# KiCad board Combined.kicad_pcb
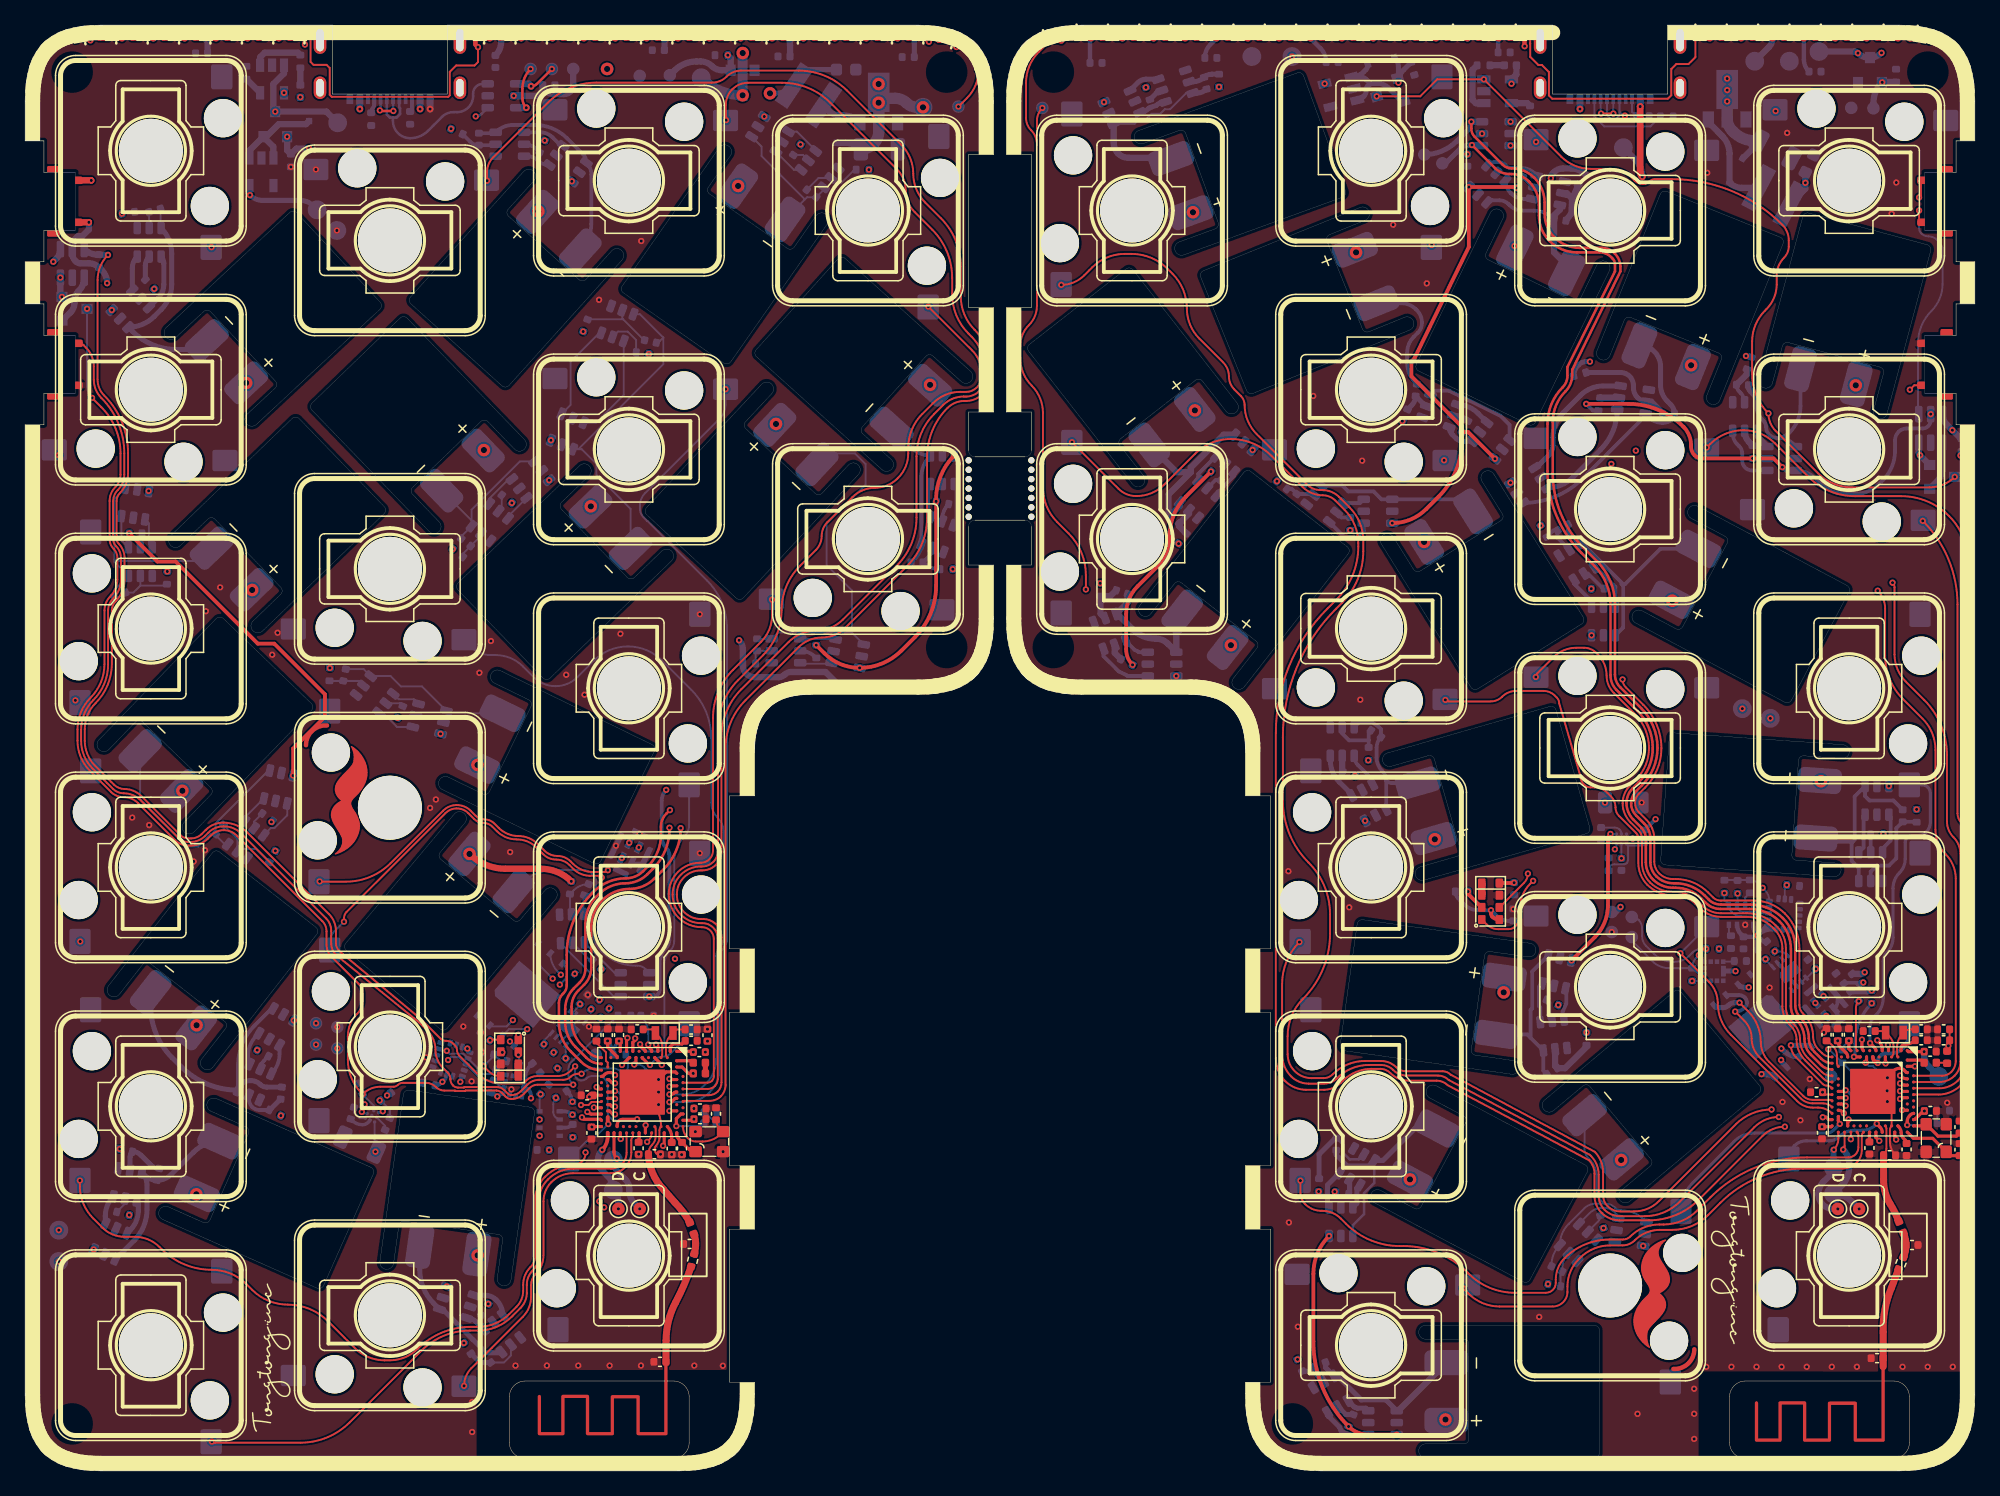
[diagram p0: board, top side]
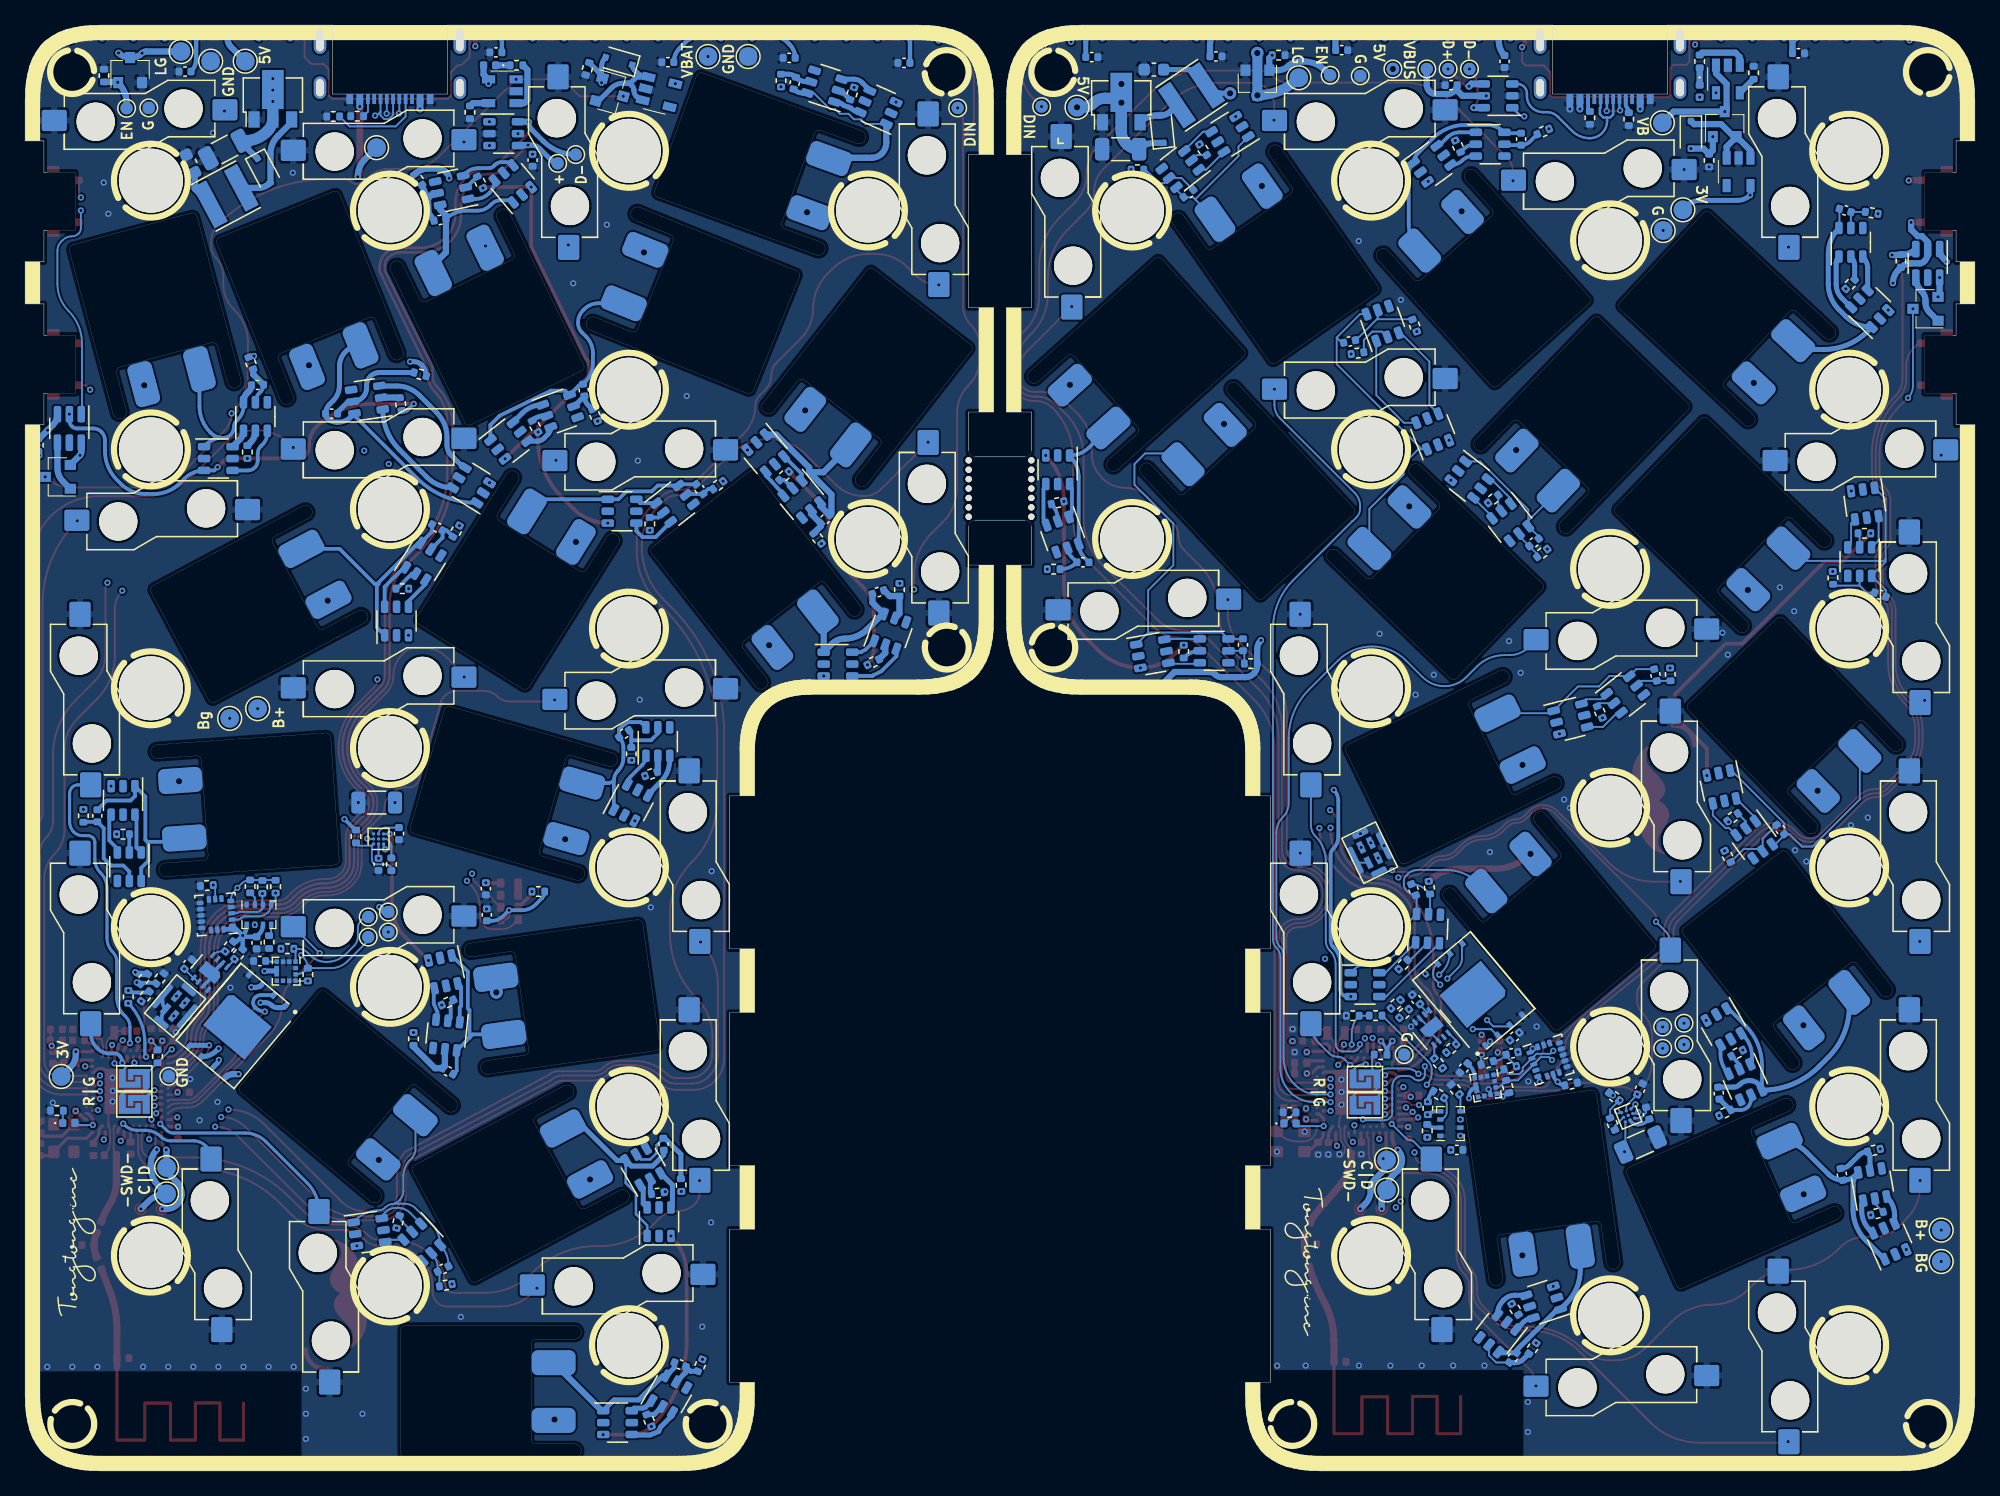
[diagram p1: board, bottom side, seen from below]

Outline 155.4 x 115.3 mm; copper layers: Top, In1.Cu, In2.Cu, Bottom. Coordinates in mm from the lower left corner of the outline.
Outline path: circle c3.75,111.55 r1.4 ; circle c3.75,3.75 r1.4 ; circle c54.4,3.75 r1.4 ; circle c73.45,111.55 r1.4 ; circle c73.45,65.66 r1.4 ; circle c81.95,111.55 r1.4 ; circle c81.95,65.66 r1.4 ; circle c101,3.75 r1.4 ; circle c151.65,3.75 r1.4 ; circle c151.65,111.55 r1.4 ; 1.75,103.57 1.5,103.57 1.5,106.07 0,106.07 0,109.3 0.02,110.08 0.07,110.62 0.09,110.82 0.2,111.42 0.35,111.99 0.41,112.17 0.55,112.52 0.62,112.69 0.89,113.17 1.2,113.6 1.31,113.73 1.44,113.86 1.57,113.98 1.7,114.1 2.13,114.41 2.61,114.68 2.78,114.75 3.13,114.89 3.31,114.95 3.88,115.1 4.48,115.2 4.68,115.23 5.22,115.28 6,115.3 24.5,115.3 24.5,109.8 33.65,109.8 33.65,115.3 71.2,115.3 71.98,115.28 72.52,115.23 72.72,115.2 73.32,115.1 73.89,114.95 74.07,114.89 74.42,114.75 74.59,114.68 75.07,114.41 75.5,114.1 75.63,113.98 75.76,113.86 75.89,113.73 76,113.6 76.31,113.17 76.58,112.69 76.65,112.52 76.79,112.17 76.85,111.99 77,111.42 77.11,110.82 77.13,110.62 77.18,110.08 77.2,109.3 77.2,104.97 75.2,104.97 75.2,92.77 77.2,92.77 77.2,84.44 75.2,84.44 75.2,81.37 arc(75.35,81.02) 75.7,80.87 79.7,80.87 arc(80.05,81.02) 80.2,81.37 80.2,84.44 78.2,84.44 78.2,92.77 80.2,92.77 80.2,104.97 78.2,104.97 78.2,109.3 78.22,110.08 78.27,110.62 78.29,110.82 78.4,111.42 78.55,111.99 78.61,112.17 78.75,112.52 78.82,112.69 79.09,113.17 79.4,113.6 79.51,113.73 79.64,113.86 79.77,113.98 79.9,114.1 80.33,114.41 80.81,114.68 80.98,114.75 81.33,114.89 81.51,114.95 82.08,115.1 82.68,115.2 82.88,115.23 83.42,115.28 84.2,115.3 121.75,115.3 121.75,109.8 130.9,109.8 130.9,115.3 149.4,115.3 150.18,115.28 150.72,115.23 150.92,115.2 151.52,115.1 152.09,114.95 152.27,114.89 152.62,114.75 152.79,114.68 153.27,114.41 153.7,114.1 153.83,113.98 153.96,113.86 154.09,113.73 154.2,113.6 154.51,113.17 154.78,112.69 154.85,112.52 154.99,112.17 155.05,111.99 155.2,111.42 155.31,110.82 155.33,110.62 155.38,110.08 155.4,109.3 155.4,106.07 153.9,106.07 153.9,103.57 153.65,103.57 ; 1.75,98.93 1.5,98.93 1.5,96.43 0,96.43 0,93.07 1.5,93.07 1.5,90.57 1.75,90.57 ; 1.75,85.93 1.5,85.93 1.5,83.43 0,83.43 0,6 0.02,5.22 0.07,4.68 0.09,4.48 0.2,3.88 0.35,3.31 0.41,3.13 0.55,2.78 0.62,2.61 0.89,2.13 1.2,1.7 1.31,1.57 1.44,1.44 1.57,1.31 1.7,1.2 2.13,0.89 2.61,0.62 2.78,0.55 3.13,0.41 3.31,0.35 3.88,0.2 4.48,0.09 4.68,0.07 5.22,0.02 6,0 52.15,0 52.93,0.02 53.47,0.07 53.67,0.09 54.27,0.2 54.84,0.35 55.02,0.41 55.37,0.55 55.54,0.62 56.02,0.89 56.45,1.2 56.58,1.31 56.71,1.44 56.84,1.57 56.95,1.7 57.26,2.13 57.53,2.61 57.6,2.78 57.74,3.13 57.8,3.31 57.95,3.88 58.06,4.48 58.08,4.68 58.13,5.22 58.15,6 58.15,7.08 56.15,7.08 56.15,19.28 58.15,19.28 58.15,24.36 56.15,24.36 56.15,36.56 58.15,36.56 58.15,41.63 56.15,41.63 56.15,53.83 58.15,53.83 58.15,57.63 58.16,57.96 58.16,58.02 58.18,58.18 58.21,58.49 58.23,58.64 58.27,58.85 58.32,59.07 58.36,59.23 ; 58.36,59.23 58.44,59.48 58.48,59.61 58.59,59.86 58.65,59.98 58.73,60.13 58.81,60.26 58.85,60.32 58.94,60.45 59.07,60.63 59.16,60.72 59.34,60.9 59.43,60.99 59.61,61.12 59.75,61.22 59.8,61.25 59.93,61.33 60.08,61.42 60.2,61.47 60.45,61.58 60.58,61.63 60.83,61.7 ; 60.83,61.7 60.99,61.74 61.21,61.79 61.42,61.83 61.57,61.85 61.89,61.89 62.05,61.9 62.1,61.9 62.43,61.91 71.2,61.91 71.98,61.93 72.52,61.98 72.72,62.01 73.32,62.12 73.89,62.26 74.07,62.32 74.42,62.46 74.59,62.53 75.07,62.8 75.5,63.11 75.63,63.23 75.76,63.35 75.89,63.48 76,63.61 76.31,64.05 76.58,64.52 76.65,64.69 76.79,65.04 76.85,65.22 77,65.79 77.11,66.39 77.13,66.6 77.18,67.13 77.2,67.91 77.2,72.24 75.2,72.24 ; 75.2,72.25 75.2,75.32 arc(75.35,75.67) 75.7,75.82 79.7,75.82 arc(80.05,75.67) 80.2,75.32 80.2,72.25 ; 80.2,72.24 78.2,72.24 78.2,67.91 78.22,67.13 78.27,66.6 78.29,66.39 78.4,65.79 78.55,65.22 78.61,65.04 78.75,64.69 78.82,64.52 79.09,64.05 79.4,63.61 79.51,63.48 79.64,63.35 79.77,63.23 79.9,63.11 80.33,62.8 80.81,62.53 80.98,62.46 81.33,62.32 81.51,62.26 82.08,62.12 82.68,62.01 82.88,61.98 83.42,61.93 84.2,61.91 92.97,61.91 93.3,61.9 93.35,61.9 93.51,61.89 93.83,61.85 93.98,61.83 94.19,61.79 94.41,61.74 94.57,61.7 94.82,61.63 94.95,61.58 95.2,61.47 95.32,61.42 95.47,61.33 95.6,61.25 95.65,61.22 95.79,61.12 95.97,60.99 96.06,60.9 96.24,60.72 96.33,60.63 96.46,60.45 96.55,60.32 96.59,60.26 96.67,60.13 96.75,59.98 96.81,59.86 96.92,59.61 96.96,59.48 97.04,59.23 ; 97.04,59.23 97.08,59.07 97.13,58.85 97.17,58.64 97.19,58.49 97.22,58.18 97.24,58.02 97.24,57.96 97.25,57.63 97.25,53.83 99.25,53.83 99.25,41.63 97.25,41.63 97.25,36.56 99.25,36.56 99.25,24.36 97.25,24.36 97.25,19.28 99.25,19.28 99.25,7.08 97.25,7.08 97.25,6 97.27,5.22 97.32,4.68 97.34,4.48 97.45,3.88 97.6,3.31 97.66,3.13 97.8,2.78 97.87,2.61 98.14,2.13 98.45,1.7 98.56,1.57 98.69,1.44 98.82,1.31 98.95,1.2 99.38,0.89 99.86,0.62 100.03,0.55 100.38,0.41 100.56,0.35 101.13,0.2 101.73,0.09 101.93,0.07 102.47,0.02 103.25,0 149.4,0 150.18,0.02 150.72,0.07 150.92,0.09 151.52,0.2 152.09,0.35 152.27,0.41 152.62,0.55 152.79,0.62 153.27,0.89 153.7,1.2 153.83,1.31 153.96,1.44 154.09,1.57 154.2,1.7 154.51,2.13 154.78,2.61 154.85,2.78 154.99,3.13 155.05,3.31 155.2,3.88 155.31,4.48 155.33,4.68 155.38,5.22 155.4,6 155.4,83.43 153.9,83.43 153.9,85.93 153.65,85.93 ; 153.65,98.93 153.9,98.93 153.9,96.43 155.4,96.43 155.4,93.07 153.9,93.07 153.9,90.57 153.65,90.57
Stack: Top 0.035mm / dielectric 0.2104mm FR4 er 4.5 / In1.Cu 0.0152mm / dielectric 0.45mm FR4 er 4.5 / In2.Cu 0.0152mm / dielectric 0.2104mm FR4 er 4.5 / Bottom 0.035mm

## Placement (name value [footprint] x y rotation side)
AE1  Antenna  [2.4GHz-meander-antenna-v2]  148.08 8.18 0 top
AE1#2  Antenna  [2.4GHz-meander-antenna-v2]  51.08 8.7 0 top
B1  Battery  [BatteryV2]  21.37 100.34 313 top
B1#2  Battery  [BatteryV2]  130.58 101.92 338 top
B2  Battery  [BatteryV2]  27.65 23.95 246 top
B2#2  Battery  [BatteryV2]  120.1 83.53 154 top
B3  Battery  [BatteryV2]  97.41 79.66 322 top
B3#2  Battery  [BatteryV2]  15.51 67.98 316 top
B4  Battery  [BatteryV2]  130.55 48.54 86 top
B4#2  Battery  [BatteryV2]  56.96 69.61 137 top
B5  Battery  [BatteryV2]  22.87 84.88 44 top
B5#2  Battery  [BatteryV2]  101.64 111.37 290 top
B6  Battery  [BatteryV2]  21.57 83.92 314 top
B6#2  Battery  [BatteryV2]  141.93 100.17 345 top
B7  Battery  [BatteryV2]  38.29 86.55 138 top
B7#2  Battery  [BatteryV2]  104.98 33.73 82 top
B8  Battery  [BatteryV2]  124.43 24.12 242 top
B8#2  Battery  [BatteryV2]  41.56 63.23 134 top
B9  Battery  [BatteryV2]  80.02 89.57 38 top
B9#2  Battery  [BatteryV2]  50.06 57.66 244 top
B10  Battery  [BatteryV2]  145.27 70.35 242 top
B10#2  Battery  [BatteryV2]  55.96 88.4 145 top
B11  Battery  [BatteryV2]  58.28 89.13 48 top
B11#2  Battery  [BatteryV2]  97.61 86.05 112 top
B12  Battery  [BatteryV2]  124.11 67.81 212 top
B12#2  Battery  [BatteryV2]  15.21 49.33 322 top
B13  Battery  [BatteryV2]  30.38 30.19 352 top
B13#2  Battery  [BatteryV2]  121.76 60.83 286 top
B14  Battery  [BatteryV2]  125.27 11.41 270 top
B14#2  Battery  [BatteryV2]  33.36 35.27 140 top
B15  Battery  [BatteryV2]  131.7 38.21 310 top
C1  100nF  [C_0402_1005Metric]  130.97 84.31 0 bottom
C1#2  100nF  [C_0402_1005Metric]  10.34 100.52 16 bottom
C2  100nF  [C_0402_1005Metric]  122.33 99.76 172 bottom
C2#2  100nF  [C_0402_1005Metric]  10.61 23.65 258 bottom
C3  100nF  [C_0402_1005Metric]  15.5 51.15 230 bottom
C3#2  100nF  [C_0402_1005Metric]  87.41 70.08 342 bottom
C4  100nF  [C_0402_1005Metric]  58.34 65.88 90 bottom
C4#2  100nF  [C_0402_1005Metric]  149.64 52.24 90 bottom
C5  100nF  [C_0402_1005Metric]  35.14 74.05 142 bottom
C5#2  100nF  [C_0402_1005Metric]  94.06 110.66 282 bottom
C6  100nF  [C_0402_1005Metric]  136.87 86.6 358 bottom
C6#2  100nF  [C_0402_1005Metric]  7.55 69.88 200 bottom
C7  100nF  [C_0402_1005Metric]  121.7 31.87 210 bottom
C7#2  100nF  [C_0402_1005Metric]  36.17 106.2 90 bottom
C8  100nF  [C_0402_1005Metric]  104.51 26.05 268 bottom
C8#2  100nF  [C_0402_1005Metric]  49.85 90.07 348 bottom
C9  100nF  [C_0402_1005Metric]  91.63 75.89 136 bottom
C9#2  100nF  [C_0402_1005Metric]  25.46 63.47 78 bottom
C10  100nF  [C_0402_1005Metric]  122.54 75.23 30 bottom
C10#2  100nF  [C_0402_1005Metric]  62.68 101.87 322 bottom
C11  100nF  [C_0402_1005Metric]  110.87 86.19 84 bottom
C11#2  100nF  [C_0402_1005Metric]  71.09 72.46 180 bottom
C12  100nF  [C_0402_1005Metric]  20.42 30.13 84 bottom
C12#2  100nF  [C_0402_1005Metric]  101.64 78.29 54 bottom
C13  100nF  [C_0402_1005Metric]  107.66 58.79 326 bottom
C13#2  100nF  [C_0402_1005Metric]  36.83 9.03 126 bottom
C14  100nF  [C_0402_1005Metric]  44.74 46.35 248 bottom
C14#2  100nF  [C_0402_1005Metric]  103.19 8.48 20 bottom
C15  100nF  [C_0402_1005Metric]  122.08 16.11 154 bottom
C16  100nF  [C_0402_1005Metric]  142.65 111.59 180 bottom
C16#2  100nF  [C_0402_1005Metric]  14.07 113.05 0 bottom
C17  100nF  [C_0402_1005Metric]  117.88 113.12 180 bottom
C17#2  100nF  [C_0402_1005Metric]  37.49 112.4 90 bottom
C18  100nF  [C_0402_1005Metric]  104.17 112.34 180 bottom
C18#2  100nF  [C_0402_1005Metric]  50.47 113.3 0 bottom
C19  100nF  [C_0402_1005Metric]  94.5 112.68 180 bottom
C19#2  100nF  [C_0402_1005Metric]  60.49 112.8 0 bottom
C20  100nF  [C_0402_1005Metric]  85.35 112.28 180 bottom
C20#2  100nF  [C_0402_1005Metric]  70.39 112.75 0 bottom
C21  100nF  [C_0402_1005Metric]  41.74 110.51 0 bottom
C21#2  100nF  [C_0402_1005Metric]  114.95 104.52 270 bottom
C22  12pF  [C_0402_1005Metric]  151.12 35.21 0 top
C22#2  12pF  [C_0402_1005Metric]  53.09 35.2 0 top
C23  12pF  [C_0402_1005Metric]  146.97 35.07 180 top
C23#2  12pF  [C_0402_1005Metric]  48.79 35.21 180 top
C24  4.7uF  [C_0402_1005Metric]  47.34 34.76 270 top
C24#2  4.7uF  [C_0402_1005Metric]  145.35 34.78 270 top
C25  4.7uF  [C_0402_1005Metric]  144.46 34.78 270 top
C25#2  4.7uF  [C_0402_1005Metric]  46.44 34.76 270 top
C26  100nF  [C_0402_1005Metric]  53.09 34.3 180 top
C26#2  100nF  [C_0402_1005Metric]  151.12 34.34 180 top
C27  4.7uF  [C_0402_1005Metric]  143.57 34.78 270 top
C27#2  4.7uF  [C_0402_1005Metric]  45.54 34.76 270 top
C28  1uF  [C_0402_1005Metric]  53.74 33.4 180 top
C28#2  1uF  [C_0402_1005Metric]  151.83 33.43 180 top
C29  1uF  [C_0402_1005Metric]  152.9 34.34 180 top
C29#2  1uF  [C_0402_1005Metric]  54.39 34.75 90 top
C30  47nF  [C_0402_1005Metric]  152.9 35.21 180 top
C30#2  47nF  [C_0402_1005Metric]  53.79 28.9 0 top
C31  100nF  [C_0402_1005Metric]  44.8 29.95 0 top
C31#2  100nF  [C_0402_1005Metric]  142.78 30.2 0 top
C32  100nF  [C_0402_1005Metric]  151.85 28.7 180 top
C32#2  100nF  [C_0402_1005Metric]  53.79 28.05 180 top
C33  100nF  [C_0402_1005Metric]  143.21 26.96 90 top
C33#2  100nF  [C_0402_1005Metric]  45.14 26.95 90 top
C34  820pF  [C_0402_1005Metric]  48.9 25.73 90 top
C34#2  820pF  [C_0402_1005Metric]  146.99 25.75 90 top
C35  1pF  [C_0402_1005Metric]  148.6 25.17 180 top
C35#2  1pF  [C_0402_1005Metric]  50.16 25.25 180 top
C36  12pF  [C_0402_1005Metric]  154.17 27.42 270 top
C36#2  12pF  [C_0402_1005Metric]  55.07 28.48 270 top
C37  12pF  [C_0402_1005Metric]  154.17 25.62 270 top
C37#2  12pF  [C_0402_1005Metric]  52.36 25.72 90 top
C38  100pF  [C_0402_1005Metric]  149.95 25.63 270 top
C38#2  100pF  [C_0402_1005Metric]  51.54 25.71 270 top
C39  1pF  [C_0402_1005Metric]  150.39 18.01 180 top
C39#2  1pF  [C_0402_1005Metric]  52.96 18.1 0 top
C40  1.5pF  [C_0402_1005Metric]  147.6 8.99 180 top
C40#2  1.5pF  [C_0402_1005Metric]  50.6 8.7 180 top
C41  0.47uF  [C_0402_1005Metric]  125.6 50.82 90 bottom
C41#2  0.47uF  [C_0402_1005Metric]  26.08 28.52 254 bottom
C42  0.1uF  [C_0402_1005Metric]  26.69 30.45 116 bottom
C42#2  0.1uF  [C_0402_1005Metric]  127.23 48.37 270 bottom
C43  47uF  [C_0603_1608Metric]  142.22 104.24 64 bottom
C43#2  47uF  [C_0603_1608Metric]  65.44 111.75 0 bottom
C44  100uF  [C_1206_3216Metric]  139.5 105.38 332 bottom
C44#2  100uF  [C_1206_3216Metric]  68.09 105.4 0 bottom
C45  100nF  [C_0402_1005Metric]  136.95 42.11 90 bottom
C45#2  100nF  [C_0402_1005Metric]  41.29 25.6 0 bottom
C46  100nF  [C_0402_1005Metric]  142.4 40.4 130 bottom
C46#2  100nF  [C_0402_1005Metric]  44.54 37.6 50 bottom
C47  1uF  [C_0402_1005Metric]  118.68 46.42 90 bottom
C47#2  1uF  [C_0402_1005Metric]  36.69 34.65 320 bottom
C48  0.1uF  [C_0402_1005Metric]  36.89 33.3 348 bottom
C48#2  0.1uF  [C_0402_1005Metric]  118.6 44.35 270 bottom
C49  0.1uF  [C_0402_1005Metric]  136.7 40.66 0 bottom
C49#2  0.1uF  [C_0402_1005Metric]  40.74 32.13 310 bottom
D1  1N5819  [D_SOD-323F]  22.64 106.55 270 bottom
D1#2  1N5819  [D_SOD-323F]  108.07 112.43 16 bottom
D2  BLUE  [LED_0402_1005Metric]  151.91 27.74 180 bottom
D2#2  BLUE  [LED_0402_1005Metric]  54.59 27.71 180 bottom
D3  1N5819  [D_SOD-323F]  136.37 103.69 242 bottom
D3#2  1N5819  [D_SOD-323F]  64.79 107 84 bottom
D4  RED  [LED_0402_1005Metric]  21.94 110.03 270 bottom
D4#2  RED  [LED_0402_1005Metric]  118.37 112.09 0 bottom
J1  USB-C USB 2.0 MC-372  [USB-C_C168688]  29.07 109.8 180 bottom
J1#2  USB-C USB 2.0 MC-372  [USB-C_C168688]  126.32 109.8 180 bottom
JP1  SolderJumper_2_Open  [SolderBridge]  146.69 31.3 0 bottom
JP1#2  SolderJumper_2_Open  [SolderBridge]  48.61 31.26 0 bottom
JP2  SolderJumper_2_Open  [SolderBridge]  146.69 29.22 0 bottom
JP2#2  SolderJumper_2_Open  [SolderBridge]  48.61 29.16 0 bottom
K1  KeyboardSwitch  [GateronHotswap]  10.02 10.03 90 top
K1#2  KeyboardSwitch  [GateronHotswap]  145.37 102.89 180 top
K2  KeyboardSwitch  [GateronHotswap]  10.02 29.08 270 top
K2#2  KeyboardSwitch  [GateronHotswap]  145.37 81.46 0 top
K3  KeyboardSwitch  [GateronHotswap]  145.37 62.41 90 top
K3#2  KeyboardSwitch  [GateronHotswap]  10.02 48.13 270 top
K4  KeyboardSwitch  [GateronHotswap]  145.37 43.36 90 top
K4#2  KeyboardSwitch  [GateronHotswap]  10.02 67.18 270 top
K5  KeyboardSwitch  [GateronHotswap]  10.02 86.23 0 top
K5#2  KeyboardSwitch  [GateronHotswap]  145.37 17.17 270 top
K6  KeyboardSwitch  [GateronHotswap]  10.02 105.28 90 top
K6#2  KeyboardSwitch  [GateronHotswap]  126.32 100.51 180 top
K7  KeyboardSwitch  [GateronHotswap]  126.32 76.7 180 top
K7#2  KeyboardSwitch  [GateronHotswap]  29.07 12.41 0 top
K8  KeyboardSwitch  [GateronHotswap]  29.07 33.84 270 top
K8#2  KeyboardSwitch  [GateronHotswap]  126.32 57.65 180 top
K9  KeyboardSwitch  [GateronHotswap]  126.32 38.6 180 top
K9#2  KeyboardSwitch  [GateronHotswap]  29.07 52.89 270 top
K10  KeyboardSwitch  [GateronHotswap]  126.32 14.79 90 top
K10#2  KeyboardSwitch  [GateronHotswap]  29.07 71.94 0 top
K11  KeyboardSwitch  [GateronHotswap]  29.07 98.13 180 top
K11#2  KeyboardSwitch  [GateronHotswap]  107.27 105.27 90 top
K12  KeyboardSwitch  [GateronHotswap]  48.12 17.17 270 top
K12#2  KeyboardSwitch  [GateronHotswap]  107.27 86.22 0 top
K13  KeyboardSwitch  [GateronHotswap]  107.27 67.17 0 top
K13#2  KeyboardSwitch  [GateronHotswap]  48.12 43.36 90 top
K14  KeyboardSwitch  [GateronHotswap]  107.27 48.12 270 top
K14#2  KeyboardSwitch  [GateronHotswap]  48.12 62.41 90 top
K15  KeyboardSwitch  [GateronHotswap]  107.27 29.07 270 top
K15#2  KeyboardSwitch  [GateronHotswap]  48.12 81.46 180 top
K16  KeyboardSwitch  [GateronHotswap]  48.12 102.89 180 top
K16#2  KeyboardSwitch  [GateronHotswap]  107.27 10.02 180 top
K17  KeyboardSwitch  [GateronHotswap]  67.17 74.32 0 top
K17#2  KeyboardSwitch  [GateronHotswap]  88.22 100.51 270 top
K18  KeyboardSwitch  [GateronHotswap]  88.22 74.32 270 top
K18#2  KeyboardSwitch  [GateronHotswap]  67.17 100.51 90 top
L1  15nH  [L_0402_1005Metric]  153.18 32.99 270 top
L1#2  15nH  [L_0402_1005Metric]  53.74 31.7 0 top
L2  10uH  [L_0402_1005Metric]  151.84 32.55 180 top
L2#2  10uH  [L_0402_1005Metric]  53.74 32.55 180 top
L3  3.9nH  [L_0402_1005Metric]  53.14 19.35 290 top
L3#2  3.9nH  [L_0402_1005Metric]  149.52 19.43 292 top
L4  22uH  [L_Taiyo-Yuden_NR-40xx]  139.4 101.66 152 bottom
L4#2  22uH  [L_Taiyo-Yuden_NR-40xx]  62.44 109.7 326 bottom
NOREF  -  [unnamed]  75.2 77.59 90 top
NOREF#2  -  [unnamed]  75.2 76.09 90 top
NOREF#3  -  [unnamed]  75.2 80.59 90 top
NOREF#4  -  [unnamed]  75.2 78.34 90 top
NOREF#5  -  [unnamed]  75.2 79.84 90 top
NOREF#6  -  [unnamed]  80.2 79.84 90 top
NOREF#7  -  [unnamed]  80.2 76.84 90 top
NOREF#8  -  [unnamed]  80.2 79.09 90 top
NOREF#9  -  [unnamed]  80.2 78.34 90 top
NOREF#10  -  [unnamed]  75.2 79.09 90 top
NOREF#11  -  [unnamed]  80.2 77.59 90 top
NOREF#12  -  [unnamed]  80.2 80.59 90 top
NOREF#13  -  [unnamed]  75.2 76.84 90 top
NOREF#14  -  [unnamed]  80.2 76.09 90 top
Q1  AO3407  [SOT-23]  19.94 107.4 90 bottom
Q1#2  AO3407  [SOT-23]  108.68 109.89 196 bottom
Q2  AO3407  [SOT-23]  3.94 92.68 0 bottom
Q2#2  AO3407  [SOT-23]  152.79 79.27 0 bottom
Q3  8205A  [SOT-23-6-Small]  8.39 92.68 44 bottom
Q3#2  8205A  [SOT-23-6-Small]  119.85 78.6 32 bottom
Q4  8205A  [SOT-23-6-Small]  6.8 18.31 66 bottom
Q4#2  8205A  [SOT-23-6-Small]  116.52 102.64 50 bottom
Q5  8205A  [SOT-23-6-Small]  90.61 64.34 180 bottom
Q5#2  8205A  [SOT-23-6-Small]  20.2 54.54 258 bottom
Q6  8205A  [SOT-23-6-Small#2]  65.56 65.17 170 bottom
Q6#2  8205A  [SOT-23-6-Small]  147.59 53.47 270 bottom
Q7  8205A  [SOT-23-6-Small]  87.41 108.75 24 bottom
Q7#2  8205A  [SOT-23-6-Small]  40.29 79.05 218 bottom
Q8  8205A  [SOT-23-6-Small]  140 80.73 180 bottom
Q8#2  8205A  [SOT-23-6-Small]  8.78 77.14 262 bottom
Q9  8205A  [SOT-23-6-Small]  122.08 39.79 258 bottom
Q9#2  8205A  [SOT-23-6-Small]  43.26 104.24 144 bottom
Q10  8205A  [SOT-23-6-Small]  104.87 19.87 90 bottom
Q10#2  8205A  [SOT-23-6-Small]  43.22 82.89 68 bottom
Q11  DW01  [SOT-23-6-Small]  128.15 85.43 352 bottom
Q11#2  DW01  [SOT-23-6-Small]  9.89 97.98 90 bottom
Q12  DW01  [SOT-23-6-Small]  121.4 102.12 348 bottom
Q12#2  DW01  [SOT-23-6-Small#2]  8.17 22.84 80 bottom
Q13  DW01  [SOT-23-6-Small]  17.59 50.34 234 bottom
Q13#2  DW01  [SOT-23-6-Small]  86.45 66.94 110 bottom
Q14  DW01  [SOT-23-6-Small]  147.09 48.18 270 bottom
Q14#2  DW01  [SOT-23-6-Small]  60.64 65.4 180 bottom
Q15  DW01  [SOT-23-6-Small]  37.04 75.65 232 bottom
Q15#2  DW01  [SOT-23-6-Small]  91.68 110.43 18 bottom
Q16  DW01  [SOT-23-6-Small]  9.19 72.51 270 bottom
Q16#2  DW01  [SOT-23-6-Small]  137.04 84.08 90 bottom
Q17  DW01  [SOT-23-6-Small]  38.64 105.8 180 bottom
Q17#2  DW01  [SOT-23-6-Small]  121.82 34.76 276 bottom
Q18  DW01  [SOT-23-6-Small]  106.13 24.25 60 bottom
Q18#2  DW01  [SOT-23-6-Small]  47.21 91.5 70 bottom
Q19  8205A  [SOT-23-6-Small]  96.37 81.15 230 bottom
Q19#2  8205A  [SOT-23-6-Small]  32.24 59.98 166 bottom
Q20  8205A  [SOT-23-6-Small]  59.38 106.6 328 bottom
Q20#2  8205A  [SOT-23-6-Small]  125.79 67.77 90 bottom
Q21  8205A  [SOT-23-6-Small]  73.11 79.84 270 bottom
Q21#2  8205A  [SOT-23-6-Small]  116.83 82.16 142 bottom
Q22  8205A  [SOT-23-6-Small]  20.03 35.42 240 bottom
Q22#2  8205A  [SOT-23-6-Small]  107.82 76.53 180 bottom
Q23  DW01  [SOT-23-6-Small]  27.86 61.93 142 bottom
Q23#2  DW01  [SOT-23-6-Small]  93.49 77.49 230 bottom
Q24  DW01  [SOT-23-6-Small]  63.33 103.81 322 bottom
Q24#2  DW01  [SOT-23-6-Small]  123.66 72.52 122 bottom
Q25  DW01  [SOT-23-6-Small]  112.75 84.52 160 bottom
Q25#2  DW01  [SOT-23-6-Small]  72.71 74.67 250 bottom
Q26  DW01  [SOT-23-6-Small]  103.62 77.13 142 bottom
Q26#2  DW01  [SOT-23-6-Small]  18.3 31.02 246 bottom
Q27  8205A  [SOT-23-6-Small]  107.1 53.29 118 bottom
Q27#2  8205A  [SOT-23-6-Small]  34.4 13.46 342 bottom
Q28  8205A  [SOT-23-6-Small]  108.18 3.85 180 bottom
Q28#2  8205A  [SOT-23-6-Small]  48.61 38.78 180 bottom
Q29  8205A  [SOT-23-6-Small]  127.96 19.04 172 bottom
Q30  DW01  [SOT-23-6-Small]  38.02 10.96 308 bottom
Q30#2  DW01  [SOT-23-6-Small]  104.97 58.16 90 bottom
Q31  DW01  [SOT-23-6-Small]  104.05 6.12 120 bottom
Q31#2  DW01  [SOT-23-6-Small]  43.59 43.25 92 bottom
Q32  DW01  [SOT-23-6-Small]  123.78 18.22 228 bottom
Q33  AO3400A  [SOT-23]  147.03 111.71 90 bottom
Q33#2  AO3400A  [SOT-23]  57.19 110.7 270 bottom
R1  100K  [R_0402_1005Metric]  110.58 111.81 286 bottom
R1#2  100K  [R_0402_1005Metric]  21.19 104.5 270 bottom
R2  5.1K  [R_0402_1005Metric]  5.9 96.48 270 bottom
R2#2  5.1K  [R_0402_1005Metric]  154.34 81.8 270 bottom
R3  1K  [R_0402_1005Metric]  125.46 85.06 82 bottom
R3#2  1K  [R_0402_1005Metric]  9.94 94.63 134 bottom
R4  1K  [R_0402_1005Metric]  119.13 102.76 64 bottom
R4#2  1K  [R_0402_1005Metric]  7.81 20.53 166 bottom
R5  1K  [R_0402_1005Metric]  87.8 64.5 154 bottom
R5#2  1K  [R_0402_1005Metric]  19.31 52.13 144 bottom
R6  1K  [R_0402_1005Metric]  147.59 50.77 180 bottom
R6#2  1K  [R_0402_1005Metric]  63.06 65.34 270 bottom
R7  1K  [R_0402_1005Metric]  89.48 109.84 288 bottom
R7#2  1K  [R_0402_1005Metric]  38.39 77.51 142 bottom
R8  1K  [R_0402_1005Metric]  137.68 81.25 90 bottom
R8#2  1K  [R_0402_1005Metric]  8.81 74.77 0 bottom
R9  1K  [R_0402_1005Metric]  121.73 37.36 156 bottom
R9#2  1K  [R_0402_1005Metric]  41.21 105.63 246 bottom
R10  1K  [R_0402_1005Metric]  49.21 89.14 172 bottom
R10#2  1K  [R_0402_1005Metric]  104.97 22.15 352 bottom
R11  100  [R_0402_1005Metric]  123.91 87.45 16 bottom
R11#2  100  [R_0402_1005Metric]  8.23 100.33 8 bottom
R12  100  [R_0402_1005Metric]  8.05 25.57 348 bottom
R12#2  100  [R_0402_1005Metric]  124.07 102.97 234 bottom
R13  100  [R_0402_1005Metric]  85.71 70.27 270 bottom
R13#2  100  [R_0402_1005Metric]  19.71 49 242 bottom
R14  100  [R_0402_1005Metric]  57.72 64.38 0 bottom
R14#2  100  [R_0402_1005Metric]  150.75 52.24 270 bottom
R15  100  [R_0402_1005Metric]  95.15 110.87 90 bottom
R15#2  100  [R_0402_1005Metric]  34.49 73.2 322 bottom
R16  100  [R_0402_1005Metric]  11.32 71.22 268 bottom
R16#2  100  [R_0402_1005Metric]  137.4 88.33 250 bottom
R17  100  [R_0402_1005Metric]  124.44 34.45 270 bottom
R17#2  100  [R_0402_1005Metric]  34.41 106.81 336 bottom
R18  100  [R_0402_1005Metric]  103.11 22.79 88 bottom
R18#2  100  [R_0402_1005Metric]  44.66 91.34 70 bottom
R19  1K  [R_0402_1005Metric]  94.89 79.35 318 bottom
R19#2  1K  [R_0402_1005Metric]  29.9 60.52 66 bottom
R20  1K  [R_0402_1005Metric]  61.52 105.36 236 bottom
R20#2  1K  [R_0402_1005Metric]  125.33 70.35 0 bottom
R21  1K  [R_0402_1005Metric]  73.11 77.21 348 bottom
R21#2  1K  [R_0402_1005Metric]  114.75 83.29 62 bottom
R22  1K  [R_0402_1005Metric]  105.61 75.52 90 bottom
R22#2  1K  [R_0402_1005Metric]  18.95 33.32 332 bottom
R23  100  [R_0402_1005Metric]  92.23 74.36 52 bottom
R23#2  100  [R_0402_1005Metric]  24.28 63.52 268 bottom
R24  100  [R_0402_1005Metric]  121.04 74.94 300 bottom
R24#2  100  [R_0402_1005Metric]  66.75 103.77 180 bottom
R25  100  [R_0402_1005Metric]  73.43 71.91 180 bottom
R25#2  100  [R_0402_1005Metric]  109.97 84.18 66 bottom
R26  100  [R_0402_1005Metric]  19.93 28.56 154 bottom
R26#2  100  [R_0402_1005Metric]  100.17 78.61 322 bottom
R27  1K  [R_0402_1005Metric]  36.64 12.89 238 bottom
R27#2  1K  [R_0402_1005Metric]  105.5 55.58 162 bottom
R28  1K  [R_0402_1005Metric]  105.66 4.02 68 bottom
R28#2  1K  [R_0402_1005Metric]  45.57 40.38 134 bottom
R29  1K  [R_0402_1005Metric]  125.67 19.86 104 bottom
R30  100  [R_0402_1005Metric]  107.08 57.18 90 bottom
R30#2  100  [R_0402_1005Metric]  35.26 9.78 304 bottom
R31  100  [R_0402_1005Metric]  101.6 8.42 292 bottom
R31#2  100  [R_0402_1005Metric]  43.48 46.51 264 bottom
R32  100  [R_0402_1005Metric]  121.87 14.81 350 bottom
R33  5.1K  [R_0402_1005Metric]  27.59 107.8 270 bottom
R33#2  5.1K  [R_0402_1005Metric]  130.84 108.01 0 bottom
R34  5.1K  [R_0402_1005Metric]  128.93 108.03 0 bottom
R34#2  5.1K  [R_0402_1005Metric]  30.69 107.9 270 bottom
R35  5.1K  [R_0402_1005Metric]  144.84 33.05 90 bottom
R35#2  5.1K  [R_0402_1005Metric]  47.37 33.2 180 bottom
R36  4.7K  [R_0402_1005Metric]  45.49 36.48 138 bottom
R36#2  4.7K  [R_0402_1005Metric]  147.17 37.8 90 bottom
R37  4.7K  [R_0402_1005Metric]  46.16 37.23 138 bottom
R37#2  4.7K  [R_0402_1005Metric]  145.81 37.85 130 bottom
R38  1K  [R_0402_1005Metric]  152.86 28.73 0 bottom
R38#2  1K  [R_0402_1005Metric]  54.62 28.59 0 bottom
R39  0R  [R_0402_1005Metric]  53.21 16.8 256 top
R39#2  0R  [R_0402_1005Metric]  149.51 16.56 248 top
R40  820K  [R_0402_1005Metric]  47.77 36.31 0 bottom
R40#2  820K  [R_0402_1005Metric]  145.93 39.23 308 bottom
R41  2M  [R_0402_1005Metric]  49.59 36.3 0 bottom
R41#2  2M  [R_0402_1005Metric]  144.64 39.27 128 bottom
R42  0.010  [R_1206_3216Metric]  127.38 53.3 0 bottom
R42#2  0.010  [R_1206_3216Metric]  26.66 26.03 156 bottom
R43  10k  [R_0402_1005Metric]  126.2 48.37 90 bottom
R43#2  10k  [R_0402_1005Metric]  28.89 27.67 248 bottom
R44  1K  [R_0402_1005Metric]  116.23 112.09 180 bottom
R44#2  1K  [R_0402_1005Metric]  21.94 112.4 90 bottom
R45  12K  [R_0402_1005Metric]  17.64 111.5 90 bottom
R45#2  12K  [R_0402_1005Metric]  119.94 108.34 270 bottom
R46  2M  [R_0402_1005Metric]  55.49 112.9 180 bottom
R46#2  2M  [R_0402_1005Metric]  149.11 111.27 90 bottom
R47  4.7K  [R_0402_1005Metric]  140.91 46.68 356 bottom
R47#2  4.7K  [R_0402_1005Metric]  32.19 30.85 168 bottom
R48  10K  [R_0402_1005Metric]  137.46 46.61 90 bottom
R48#2  10K  [R_0402_1005Metric]  43.65 27.12 270 bottom
R49  10K  [R_0402_1005Metric]  43.6 28.92 90 bottom
R49#2  10K  [R_0402_1005Metric]  135.43 46.59 90 bottom
R50  10K  [R_0402_1005Metric]  135.95 42.17 90 bottom
R50#2  10K  [R_0402_1005Metric]  41.41 30.43 230 bottom
R51  10K  [R_0402_1005Metric]  42.74 30.02 32 bottom